# Altium PCB LightLink_V3 - Copy.PcbDoc (part 1 of 3) (continued)
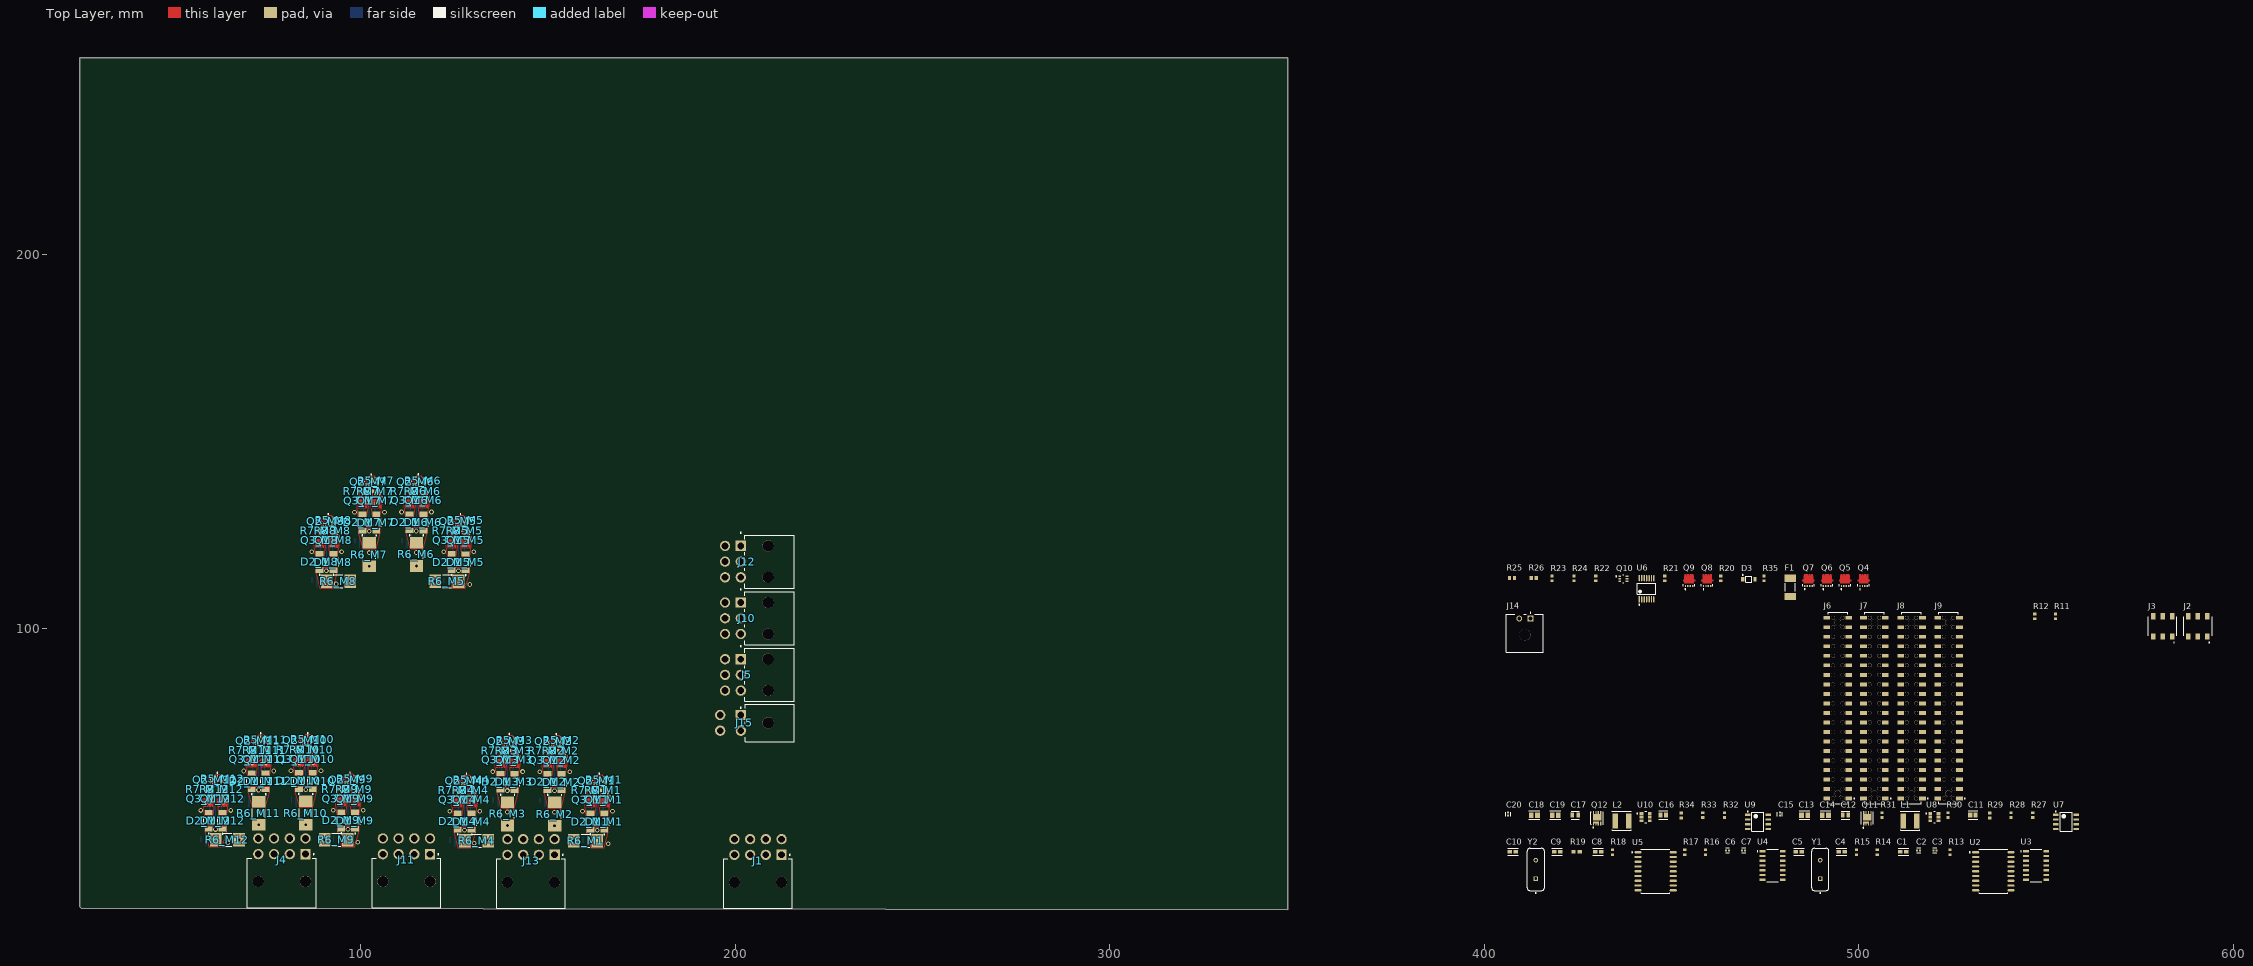
[diagram p0: Top Layer view]
## Components (designator, comment, footprint, x,y, rotation, side; value= is the part's Value field where it differs from the comment) (continued)
R2_M6 "ERJ3EKF1002V" RESC1609X55X30LL15T15 112.379,121.044 r270 bottom (schematic designator R2)
R2_M7 "ERJ3EKF1002V" RESC1609X55X30LL15T15 99.792,121.001 r270 bottom (schematic designator R2)
R2_M8 "ERJ3EKF1002V" RESC1609X55X30LL15T15 88.972,111.115 r0 bottom (schematic designator R2)
R2_M9 "ERJ3EKF1002V" RESC1609X55X30LL15T15 93.472,42.037 r180 bottom (schematic designator R2)
R2_M10 "ERJ3EKF1002V" RESC1609X55X30LL15T15 82.843,51.966 r270 bottom (schematic designator R2)
R2_M11 "ERJ3EKF1002V" RESC1609X55X30LL15T15 70.256,51.908 r270 bottom (schematic designator R2)
R2_M12 "ERJ3EKF1002V" RESC1609X55X30LL15T15 59.436,41.91 r0 bottom (schematic designator R2)
R3_M1 "ERJ3EKF1002V" RESC1609X55X30LL15T15 161.62,46.253 r0 bottom (schematic designator R3)
R3_M2 "ERJ3EKF1002V" RESC1609X55X30LL15T15 150.19,56.803 r0 bottom (schematic designator R3)
R3_M3 "ERJ3EKF1002V" RESC1609X55X30LL15T15 137.631,56.841 r0 bottom (schematic designator R3)
R3_M4 "ERJ3EKF1002V" RESC1609X55X30LL15T15 126.187,46.262 r0 bottom (schematic designator R3)
R3_M5 "ERJ3EKF1002V" RESC1609X55X30LL15T15 124.583,115.52 r0 bottom (schematic designator R3)
R3_M6 "ERJ3EKF1002V" RESC1609X55X30LL15T15 113.318,126.149 r0 bottom (schematic designator R3)
R3_M7 "ERJ3EKF1002V" RESC1609X55X30LL15T15 100.732,126.106 r0 bottom (schematic designator R3)
R3_M8 "ERJ3EKF1002V" RESC1609X55X30LL15T15 89.302,115.565 r0 bottom (schematic designator R3)
R3_M9 "ERJ3EKF1002V" RESC1609X55X30LL15T15 95.085,46.53 r0 bottom (schematic designator R3)
R3_M10 "ERJ3EKF1002V" RESC1609X55X30LL15T15 83.782,57.071 r0 bottom (schematic designator R3)
R3_M11 "ERJ3EKF1002V" RESC1609X55X30LL15T15 71.196,57.013 r0 bottom (schematic designator R3)
R3_M12 "ERJ3EKF1002V" RESC1609X55X30LL15T15 59.69,46.482 r0 bottom (schematic designator R3)
R4_M1 "RC0603FR-071ML" RESC1608X55X25LL10T15 162.56,42.977 r180 bottom (schematic designator R4)
R4_M2 "RC0603FR-071ML" RESC1608X55X25LL10T15 151.13,53.527 r180 bottom (schematic designator R4)
R4_M3 "RC0603FR-071ML" RESC1608X55X25LL10T15 138.57,53.565 r180 bottom (schematic designator R4)
R4_M4 "RC0603FR-071ML" RESC1608X55X25LL10T15 127.127,42.986 r180 bottom (schematic designator R4)
R4_M5 "RC0603FR-071ML" RESC1608X55X25LL10T15 125.522,112.243 r180 bottom (schematic designator R4)
R4_M6 "RC0603FR-071ML" RESC1608X55X25LL10T15 114.258,122.873 r180 bottom (schematic designator R4)
R4_M7 "RC0603FR-071ML" RESC1608X55X25LL10T15 101.672,122.83 r180 bottom (schematic designator R4)
R4_M8 "RC0603FR-071ML" RESC1608X55X25LL10T15 90.242,112.289 r180 bottom (schematic designator R4)
R4_M9 "RC0603FR-071ML" RESC1608X55X25LL10T15 96.025,43.254 r180 bottom (schematic designator R4)
R4_M10 "RC0603FR-071ML" RESC1608X55X25LL10T15 84.722,53.795 r180 bottom (schematic designator R4)
R4_M11 "RC0603FR-071ML" RESC1608X55X25LL10T15 72.136,53.736 r180 bottom (schematic designator R4)
R4_M12 "RC0603FR-071ML" RESC1608X55X25LL10T15 60.63,43.205 r180 bottom (schematic designator R4)
R5_M1 "ERJ3EKF1002V" RESC1609X55X30LL15T15 165.049,59.715 r90 top (schematic designator R5)
R5_M2 "ERJ3EKF1002V" RESC1609X55X30LL15T15 153.619,70.265 r90 top (schematic designator R5)
R5_M3 "ERJ3EKF1002V" RESC1609X55X30LL15T15 141.06,70.303 r90 top (schematic designator R5)
R5_M4 "ERJ3EKF1002V" RESC1609X55X30LL15T15 129.616,59.724 r90 top (schematic designator R5)
R5_M5 "ERJ3EKF1002V" RESC1609X55X30LL15T15 128.012,128.982 r90 top (schematic designator R5)
R5_M6 "ERJ3EKF1002V" RESC1609X55X30LL15T15 116.747,139.611 r90 top (schematic designator R5)
R5_M7 "ERJ3EKF1002V" RESC1609X55X30LL15T15 104.161,139.568 r90 top (schematic designator R5)
R5_M8 "ERJ3EKF1002V" RESC1609X55X30LL15T15 92.731,129.027 r90 top (schematic designator R5)
R5_M9 "ERJ3EKF1002V" RESC1609X55X30LL15T15 98.514,59.992 r90 top (schematic designator R5)
R5_M10 "ERJ3EKF1002V" RESC1609X55X30LL15T15 87.211,70.533 r90 top (schematic designator R5)
R5_M11 "ERJ3EKF1002V" RESC1609X55X30LL15T15 74.625,70.475 r90 top (schematic designator R5)
R5_M12 "ERJ3EKF1002V" RESC1609X55X30LL15T15 63.119,59.944 r90 top (schematic designator R5)
R6_M1 "MCS3264R010FER" FP-MCS3264-MFG 160.02,43.434 r180 top (schematic designator R6)
R6_M2 "MCS3264R010FER" FP-MCS3264-MFG 151.752,50.584 r270 top (schematic designator R6)
R6_M3 "MCS3264R010FER" FP-MCS3264-MFG 139.192,50.622 r270 top (schematic designator R6)
R6_M4 "MCS3264R010FER" FP-MCS3264-MFG 130.937,43.434 r0 top (schematic designator R6)
R6_M5 "MCS3264R010FER" FP-MCS3264-MFG 123.008,112.766 r180 top (schematic designator R6)
R6_M6 "MCS3264R010FER" FP-MCS3264-MFG 114.88,119.93 r270 top (schematic designator R6)
R6_M7 "MCS3264R010FER" FP-MCS3264-MFG 102.294,119.887 r270 top (schematic designator R6)
R6_M8 "MCS3264R010FER" FP-MCS3264-MFG 94.052,112.766 r0 top (schematic designator R6)
R6_M9 "MCS3264R010FER" FP-MCS3264-MFG 93.472,43.688 r180 top (schematic designator R6)
R6_M10 "MCS3264R010FER" FP-MCS3264-MFG 85.344,50.852 r270 top (schematic designator R6)
R6_M11 "MCS3264R010FER" FP-MCS3264-MFG 72.758,50.794 r270 top (schematic designator R6)
R6_M12 "MCS3264R010FER" FP-MCS3264-MFG 64.389,43.688 r0 top (schematic designator R6)
R7_M1 "ERJ3EKF1002V" RESC1609X55X30LL15T15 161.112,56.921 r0 top (schematic designator R7)
R7_M2 "ERJ3EKF1002V" RESC1609X55X30LL15T15 149.682,67.471 r0 top (schematic designator R7)
R7_M3 "ERJ3EKF1002V" RESC1609X55X30LL15T15 137.123,67.509 r0 top (schematic designator R7)
R7_M4 "ERJ3EKF1002V" RESC1609X55X30LL15T15 125.679,56.93 r0 top (schematic designator R7)
R7_M5 "ERJ3EKF1002V" RESC1609X55X30LL15T15 124.075,126.188 r0 top (schematic designator R7)
R7_M6 "ERJ3EKF1002V" RESC1609X55X30LL15T15 112.81,136.817 r0 top (schematic designator R7)
R7_M7 "ERJ3EKF1002V" RESC1609X55X30LL15T15 100.224,136.774 r0 top (schematic designator R7)
R7_M8 "ERJ3EKF1002V" RESC1609X55X30LL15T15 88.794,126.233 r0 top (schematic designator R7)
R7_M9 "ERJ3EKF1002V" RESC1609X55X30LL15T15 94.577,57.198 r0 top (schematic designator R7)
R7_M10 "ERJ3EKF1002V" RESC1609X55X30LL15T15 83.274,67.739 r0 top (schematic designator R7)
R7_M11 "ERJ3EKF1002V" RESC1609X55X30LL15T15 70.688,67.681 r0 top (schematic designator R7)
R7_M12 "ERJ3EKF1002V" RESC1609X55X30LL15T15 59.182,57.15 r0 top (schematic designator R7)
R8_M1 "ERJ3EKF1002V" RESC1609X55X30LL15T15 164.795,56.921 r0 top (schematic designator R8)
R8_M2 "ERJ3EKF1002V" RESC1609X55X30LL15T15 153.365,67.471 r0 top (schematic designator R8)
R8_M3 "ERJ3EKF1002V" RESC1609X55X30LL15T15 140.806,67.509 r0 top (schematic designator R8)
R8_M4 "ERJ3EKF1002V" RESC1609X55X30LL15T15 129.362,56.93 r0 top (schematic designator R8)
R8_M5 "ERJ3EKF1002V" RESC1609X55X30LL15T15 127.758,126.188 r0 top (schematic designator R8)
R8_M6 "ERJ3EKF1002V" RESC1609X55X30LL15T15 116.493,136.817 r0 top (schematic designator R8)
R8_M7 "ERJ3EKF1002V" RESC1609X55X30LL15T15 103.907,136.774 r0 top (schematic designator R8)
R8_M8 "ERJ3EKF1002V" RESC1609X55X30LL15T15 92.477,126.233 r0 top (schematic designator R8)
R8_M9 "ERJ3EKF1002V" RESC1609X55X30LL15T15 98.26,57.198 r0 top (schematic designator R8)
R8_M10 "ERJ3EKF1002V" RESC1609X55X30LL15T15 86.957,67.739 r0 top (schematic designator R8)
R8_M11 "ERJ3EKF1002V" RESC1609X55X30LL15T15 74.371,67.681 r0 top (schematic designator R8)
R8_M12 "ERJ3EKF1002V" RESC1609X55X30LL15T15 62.865,57.15 r0 top (schematic designator R8)
R9_M1 "ERJ-3EKF1001V" RESC1608X55X30LL15T15 157.988,50.302 r90 bottom (schematic designator R9)
R9_M2 "ERJ-3EKF1001V" RESC1608X55X30LL15T15 146.558,60.852 r90 bottom (schematic designator R9)
R9_M3 "ERJ-3EKF1001V" RESC1608X55X30LL15T15 133.998,60.89 r90 bottom (schematic designator R9)
R9_M4 "ERJ-3EKF1001V" RESC1608X55X30LL15T15 122.555,50.311 r90 bottom (schematic designator R9)
R9_M5 "ERJ-3EKF1001V" RESC1608X55X30LL15T15 120.95,119.569 r90 bottom (schematic designator R9)
R9_M6 "ERJ-3EKF1001V" RESC1608X55X30LL15T15 109.686,130.198 r90 bottom (schematic designator R9)
R9_M7 "ERJ-3EKF1001V" RESC1608X55X30LL15T15 97.1,130.155 r90 bottom (schematic designator R9)
R9_M8 "ERJ-3EKF1001V" RESC1608X55X30LL15T15 85.67,119.614 r90 bottom (schematic designator R9)
R9_M9 "ERJ-3EKF1001V" RESC1608X55X30LL15T15 91.453,50.579 r90 bottom (schematic designator R9)
R9_M10 "ERJ-3EKF1001V" RESC1608X55X30LL15T15 80.15,61.12 r90 bottom (schematic designator R9)
R9_M11 "ERJ-3EKF1001V" RESC1608X55X30LL15T15 67.564,61.062 r90 bottom (schematic designator R9)
R9_M12 "ERJ-3EKF1001V" RESC1608X55X30LL15T15 56.058,50.531 r90 bottom (schematic designator R9)
R10_M1 "ERJ-3EKF1001V" RESC1608X55X30LL15T15 168.402,50.317 r90 bottom (schematic designator R10)
R10_M2 "ERJ-3EKF1001V" RESC1608X55X30LL15T15 156.972,60.867 r90 bottom (schematic designator R10)
R10_M3 "ERJ-3EKF1001V" RESC1608X55X30LL15T15 144.412,60.905 r90 bottom (schematic designator R10)
R10_M4 "ERJ-3EKF1001V" RESC1608X55X30LL15T15 132.969,50.326 r90 bottom (schematic designator R10)
R10_M5 "ERJ-3EKF1001V" RESC1608X55X30LL15T15 131.364,119.584 r90 bottom (schematic designator R10)
R10_M6 "ERJ-3EKF1001V" RESC1608X55X30LL15T15 120.1,130.213 r90 bottom (schematic designator R10)
R10_M7 "ERJ-3EKF1001V" RESC1608X55X30LL15T15 107.514,130.17 r90 bottom (schematic designator R10)
R10_M8 "ERJ-3EKF1001V" RESC1608X55X30LL15T15 96.084,119.629 r90 bottom (schematic designator R10)
R10_M9 "ERJ-3EKF1001V" RESC1608X55X30LL15T15 101.867,50.594 r90 bottom (schematic designator R10)
R10_M10 "ERJ-3EKF1001V" RESC1608X55X30LL15T15 90.564,61.135 r90 bottom (schematic designator R10)
R10_M11 "ERJ-3EKF1001V" RESC1608X55X30LL15T15 77.978,61.077 r90 bottom (schematic designator R10)
R10_M12 "ERJ-3EKF1001V" RESC1608X55X30LL15T15 66.472,50.546 r90 bottom (schematic designator R10)
R11 "ERJ3EKF1002V" RESC1609X55X30LL15T15 552.577,103.378 r90 top
R12 "ERJ3EKF1002V" RESC1609X55X30LL15T15 546.989,103.378 r90 top
R13 "ERJ3EKF1002V" RESC1609X55X30LL15T15 524.383,40.386 r90 top
R14 "ERJ3EKF1002V" RESC1609X55X30LL15T15 504.952,40.386 r90 top
R15 "ERJ3EKF1002V" RESC1609X55X30LL15T15 499.364,40.386 r90 top
R16 "ERJ3EKF1002V" RESC1609X55X30LL15T15 459.105,40.386 r90 top
R17 "ERJ3EKF1002V" RESC1609X55X30LL15T15 453.517,40.386 r90 top
R18 "ERJ3EKF1002V" RESC1609X55X30LL15T15 434.213,40.386 r90 top
R19 "ERJ-3EKF1200V" RESC1609X55X30ML15T15 424.688,40.513 r0 top
R20 "ERJ3EKF1002V" RESC1609X55X30LL15T15 463.169,113.538 r90 top
R21 "ERJ3EKF1002V" RESC1609X55X30LL15T15 448.183,113.538 r90 top
R22 "ERJ3EKF1002V" RESC1609X55X30LL15T15 429.768,113.538 r90 top
R23 "ERJ3EKF1002V" RESC1609X55X30LL15T15 418.084,113.538 r90 top
R24 "ERJ3EKF1002V" RESC1609X55X30LL15T15 423.926,113.538 r90 top
R25 "CRCW06032K70JNEA" RESC1609X50X30ML10T20 407.416,113.665 r0 top
R26 "CRCW06032K70JNEA" RESC1609X50X30ML10T20 413.258,113.665 r0 top
R27 "ERJ3EKF1002V" RESC1609X55X30LL15T15 546.481,50.292 r90 top
R28 "ERJ3EKF1002V" RESC1609X55X30LL15T15 540.639,50.292 r90 top
R29 "ERJ3EKF51R0V" RESC1608X55X30NL15T15 534.924,50.165 r90 top
R30 "ERJ3EKF1002V" RESC1609X55X30LL15T15 523.875,50.292 r90 top
R31 "ERJ3EKF1002V" RESC1609X55X30LL15T15 506.222,50.292 r90 top
R32 "ERJ3EKF1002V" RESC1609X55X30LL15T15 464.185,50.292 r90 top
R33 "ERJ3EKF1002V" RESC1609X55X30LL15T15 458.343,50.292 r90 top
R34 "ERJ3EKF51R0V" RESC1608X55X30NL15T15 452.628,50.165 r90 top
R35 "ERJ3EKF1002V" RESC1609X55X30LL15T15 474.726,113.538 r90 top
R36_M1 "ERJ-3EKF1003V" RESC1608X55X30ML15T15 161.239,51.333 r0 bottom (schematic designator R36)
R36_M2 "ERJ-3EKF1003V" RESC1608X55X30ML15T15 149.809,61.883 r0 bottom (schematic designator R36)
R36_M3 "ERJ-3EKF1003V" RESC1608X55X30ML15T15 137.25,61.921 r0 bottom (schematic designator R36)
R36_M4 "ERJ-3EKF1003V" RESC1608X55X30ML15T15 125.806,51.342 r0 bottom (schematic designator R36)
R36_M5 "ERJ-3EKF1003V" RESC1608X55X30ML15T15 124.202,120.6 r0 bottom (schematic designator R36)
R36_M6 "ERJ-3EKF1003V" RESC1608X55X30ML15T15 112.937,131.229 r0 bottom (schematic designator R36)
R36_M7 "ERJ-3EKF1003V" RESC1608X55X30ML15T15 100.351,131.186 r0 bottom (schematic designator R36)
R36_M8 "ERJ-3EKF1003V" RESC1608X55X30ML15T15 88.921,120.645 r0 bottom (schematic designator R36)
R36_M9 "ERJ-3EKF1003V" RESC1608X55X30ML15T15 94.704,51.61 r0 bottom (schematic designator R36)
R36_M10 "ERJ-3EKF1003V" RESC1608X55X30ML15T15 83.401,62.151 r0 bottom (schematic designator R36)
R36_M11 "ERJ-3EKF1003V" RESC1608X55X30ML15T15 70.815,62.093 r0 bottom (schematic designator R36)
R36_M12 "ERJ-3EKF1003V" RESC1608X55X30ML15T15 59.309,51.562 r0 bottom (schematic designator R36)
R37_M1 "ERJ-3EKF1003V" RESC1608X55X30ML15T15 165.176,51.333 r180 bottom (schematic designator R37)
R37_M2 "ERJ-3EKF1003V" RESC1608X55X30ML15T15 153.746,61.883 r180 bottom (schematic designator R37)
R37_M3 "ERJ-3EKF1003V" RESC1608X55X30ML15T15 141.187,61.921 r180 bottom (schematic designator R37)
R37_M4 "ERJ-3EKF1003V" RESC1608X55X30ML15T15 129.743,51.342 r180 bottom (schematic designator R37)
R37_M5 "ERJ-3EKF1003V" RESC1608X55X30ML15T15 128.139,120.6 r180 bottom (schematic designator R37)
R37_M6 "ERJ-3EKF1003V" RESC1608X55X30ML15T15 116.874,131.229 r180 bottom (schematic designator R37)
R37_M7 "ERJ-3EKF1003V" RESC1608X55X30ML15T15 104.288,131.186 r180 bottom (schematic designator R37)
R37_M8 "ERJ-3EKF1003V" RESC1608X55X30ML15T15 92.858,120.645 r180 bottom (schematic designator R37)
R37_M9 "ERJ-3EKF1003V" RESC1608X55X30ML15T15 98.641,51.61 r180 bottom (schematic designator R37)
R37_M10 "ERJ-3EKF1003V" RESC1608X55X30ML15T15 87.338,62.151 r180 bottom (schematic designator R37)
R37_M11 "ERJ-3EKF1003V" RESC1608X55X30ML15T15 74.752,62.093 r180 bottom (schematic designator R37)
R37_M12 "ERJ-3EKF1003V" RESC1608X55X30ML15T15 63.246,51.562 r180 bottom (schematic designator R37)
U1_M1 "LM324D" D0014A_L 163.195,47.066 r270 bottom (schematic designator U1)
U1_M2 "LM324D" D0014A_L 151.765,57.616 r270 bottom (schematic designator U1)
U1_M3 "LM324D" D0014A_L 139.205,57.654 r270 bottom (schematic designator U1)
U1_M4 "LM324D" D0014A_L 127.762,47.075 r270 bottom (schematic designator U1)
U1_M5 "LM324D" D0014A_L 126.157,116.333 r270 bottom (schematic designator U1)
U1_M6 "LM324D" D0014A_L 114.893,126.962 r270 bottom (schematic designator U1)
U1_M7 "LM324D" D0014A_L 102.307,126.919 r270 bottom (schematic designator U1)
U1_M8 "LM324D" D0014A_L 90.877,116.378 r270 bottom (schematic designator U1)
U1_M9 "LM324D" D0014A_L 96.66,47.343 r270 bottom (schematic designator U1)
U1_M10 "LM324D" D0014A_L 85.357,57.884 r270 bottom (schematic designator U1)
U1_M11 "LM324D" D0014A_L 72.771,57.826 r270 bottom (schematic designator U1)
U1_M12 "LM324D" D0014A_L 61.265,47.295 r270 bottom (schematic designator U1)
U2 "MCP2515-I/SO" FP-C04-051-MFG 535.94,35.306 r0 top
U3 "TCAN1043DQ1" FP-D0014A-C01-MFG 547.37,36.83 r0 top
U4 "TCAN1043DQ1" FP-D0014A-C01-MFG 477.012,36.83 r0 top
U5 "MCP2515-I/SO" FP-C04-051-MFG 445.77,35.306 r0 top
U6 "SN74HC02PWR" FP-PW0014A-IPC_B 443.357,110.744 r90 top
U7 "TPS2419D" D0008A_N 555.371,48.514 r0 top
U8 "AP63205WU-7" FP-TSOT26-MFG 520.192,49.784 r0 top
U9 "TPS2419D" D0008A_N 473.075,48.514 r0 top
U10 "AP63205WU-7" FP-TSOT26-MFG 443.103,49.784 r0 top
Y1 "FOXSLF/160-20" FOX-FOXSLF160-20 489.712,35.814 r90 top
Y2 "FOXSLF/160-20" FOX-FOXSLF160-20 413.766,35.814 r90 top

## Footprints (in the part's own frame and the unit in brackets; to place one, negate y for a bottom-side part, rotate by r counter-clockwise, add the part's x,y. Pads: shape width x height; smd on the part's side, far side on the other; paste and mask are expansions set on the pad)
D0008A_N [mm] "SOIC, 8-Leads, Body 5x4mm, Pitch 1.27mm, IPC Medium Density"
  rrect17% 1.45x0.6 smd: 1(-2.725,1.905) 2(-2.725,0.635) 3(-2.725,-0.635) 4(-2.725,-1.905) 5(2.725,-1.905) 6(2.725,-0.635) 7(2.725,0.635) 8(2.725,1.905)
  silkscreen extent -2.85,-2.5 1.6,2.88, body extent -3,-2.45 3,2.45, height 1.63
D0014A_L [mm] "SOIC, 14-Leads, Body 8.75x4mm, Pitch 1.27mm, IPC High Density"
  rrect18% 1.25x0.55 smd: 1(-2.625,3.81) 2(-2.625,2.54) 3(-2.625,1.27) 4(-2.625,0) 5(-2.625,-1.27) 6(-2.625,-2.54) 7(-2.625,-3.81) 8(2.625,-3.81) 9(2.625,-2.54) 10(2.625,-1.27) 11(2.625,0) 12(2.625,1.27) 13(2.625,2.54) 14(2.625,3.81)
  silkscreen extent -2.75,-4.38 1.6,4.76, body extent -3.02,-4.32 3.02,4.32, height 1.59
FOX-FOXSLF160-20 [mm] "THD, 2-Leads, Body 11.35x4.65mm"
  rect 1.2x1.2 hole 0.7: 1(-2.44,0)
  round 1.2 hole 0.7: 2(2.44,0)
  silkscreen extent -6.45,-2.32 5.68,2.32, body extent -5.67,-2.32 5.68,2.33, height 3.6
FP-39-30-1041-MFG [mil]
  rect 108.4x108.4 hole 71 paste-39370.1 mask+0: 1(82.5,297)
  round 108.4 hole 71 paste-39370.1 mask+0: 2(-82.5,297) 3(82.5,514) 4(-82.5,514)
  round 118 hole 118 unplated paste-39370.1 mask+0: ""(0,10)
  silkscreen extent -198,-265 198,302, body extent -201,-269 201,572, height 10
FP-0679L-MFG [mm]
  rect 1.96x3.15 smd paste+0 mask+0: 1(-2.455,0) 2(2.455,0)
  silkscreen extent -1.1,-1.4 1.1,1.4, body extent -3.53,-1.68 3.53,1.68, height 0.25
FP-0805-L_2_01_0_2-W_1_25-IPC_C [mm]
  rect 1.105x1.356 smd paste+0 mask+0: 1(-0.706,0) 2(0.706,0)
  silkscreen extent -1.26,-1.12 1.26,1.12, body extent -1.36,-0.82 1.36,0.82, height 0.25
FP-43650-0201-MFG [mm]
  rect 1.57x1.57 hole 1.02 paste-1000 mask+0: 1(1.5,3.97)
  round 1.57 hole 1.02 paste-1000 mask+0: 2(-1.5,3.97)
  round 3 hole 3 unplated paste-1000 mask+0: ""(0,-0.35)
  silkscreen extent -4.95,-5.07 4.95,5.7, body extent -5.05,-5.18 5.05,5.18, height 0.25
FP-45586-0005-MFG [mm]
  rect 2.75x2.75 hole 1.8 paste-1000 mask+0: 1(-6.3,-7.5)
  round 2.75 hole 1.8 paste-1000 mask+0: 2(-2.1,-7.5) 3(2.1,-7.5) 4(6.3,-7.5) 5(-6.3,-11.7) 6(-2.1,-11.7) 7(2.1,-11.7) 8(6.3,-11.7)
  round 3 hole 3 unplated paste-1000 mask+0: ""(-6.3,-0.2) ""(6.3,-0.2)
  silkscreen extent -9.19,-7.62 9.19,6.78, body extent -9.29,-13.18 9.29,6.88, height 0.25
FP-455580003-MFG [mm]
  rect 2.75x2.75 hole 1.8 paste-1000 mask+0: 1(-4.2,-7.5)
  round 2.75 hole 1.8 paste-1000 mask+0: 2(0,-7.5) 3(4.2,-7.5) 4(-4.2,-11.7) 5(0,-11.7) 6(4.2,-11.7)
  round 3 hole 3 unplated paste-1000 mask+0: ""(-4.2,-0.2) ""(4.2,-0.2)
  silkscreen extent -7.81,-7.62 7.09,6.78, body extent -7.19,-13.18 7.19,6.88, height 0.25
FP-C04-051-MFG [mm]
  rrect100% 1.9x0.6 smd paste+0 mask+0: 1(-4.7,5.08) 2(-4.7,3.81) 3(-4.7,2.54) 4(-4.7,1.27) 5(-4.7,0) 6(-4.7,-1.27) 7(-4.7,-2.54) 8(-4.7,-3.81) 9(-4.7,-5.08) 10(4.7,-5.08) 11(4.7,-3.81) 12(4.7,-2.54) 13(4.7,-1.27) 14(4.7,0) 15(4.7,1.27) 16(4.7,2.54) 17(4.7,3.81) 18(4.7,5.08)
  silkscreen extent -6.42,-5.87 3.8,5.87, body extent -5.75,-6.12 5.75,6.12, height 0.25
FP-C0402-BB-MFG [mm]
  rect 0.52x0.52 smd paste+0 mask+0: 1(-0.4,0) 2(0.4,0)
  silkscreen extent -0.5,-0.64 0.5,0.64, body extent -0.8,-0.4 0.8,0.4, height 0.25
FP-C0805C-DG-MFG [mm]
  rect 0.95x1.35 smd paste+0 mask+0: 1(-0.75,0) 2(0.75,0)
  silkscreen extent -1.11,-1.08 1.1,1.07, body extent -1.4,-0.85 1.4,0.85, height 0.25
FP-D0014A-C01-MFG [mm]
  rrect17% 1.55x0.6 smd paste+0 mask+0: 1(-2.7,3.81) 2(-2.7,2.54) 3(-2.7,1.27) 4(-2.7,0) 5(-2.7,-1.27) 6(-2.7,-2.54) 7(-2.7,-3.81) 8(2.7,-3.81) 9(2.7,-2.54) 10(2.7,-1.27) 11(2.7,0) 12(2.7,1.27) 13(2.7,2.54) 14(2.7,3.81)
  silkscreen extent -4.17,-4.38 1.55,4.38, body extent -3.57,-4.62 3.57,4.62, height 0.25
FP-GRM21B-0_2-e0_2_0_7-IPC_B [mm]
  rect 1.255x1.456 smd paste+0 mask+0: 1(-0.826,0) 2(0.826,0)
  silkscreen extent -1.45,-1.13 1.45,1.13, body extent -1.7,-0.98 1.7,0.98, height 0.25
FP-GRM188-0_1-e0_2_0_55-IPC_A [mm]
  rect 1.208x1.012 smd paste+0 mask+0: 1(-0.802,0) 2(0.802,0)
  silkscreen extent -1.41,-0.91 1.41,0.91, body extent -1.91,-1.01 1.91,1.01, height 0.25
FP-M20-7812045-MFG [mm]
  rect 1.02x1.78 smd paste+0 mask+0: 1(-24.13,-2.91) 2(-24.13,2.91) 3(-21.59,-2.91) 4(-21.59,2.91) 5(-19.05,-2.91) 6(-19.05,2.91) 7(-16.51,-2.91) 8(-16.51,2.91) 9(-13.97,-2.91) 10(-13.97,2.91) 11(-11.43,-2.91) 12(-11.43,2.91) 13(-8.89,-2.91) 14(-8.89,2.91) 15(-6.35,-2.91) 16(-6.35,2.91) 17(-3.81,-2.91) 18(-3.81,2.91) 19(-1.27,-2.91) 20(-1.27,2.91) 21(1.27,-2.91) 22(1.27,2.91) 23(3.81,-2.91) 24(3.81,2.91) 25(6.35,-2.91) 26(6.35,2.91) 27(8.89,-2.91) 28(8.89,2.91) 29(11.43,-2.91) 30(11.43,2.91) 31(13.97,-2.91) 32(13.97,2.91) 33(16.51,-2.91) 34(16.51,2.91) 35(19.05,-2.91) 36(19.05,2.91) 37(21.59,-2.91) 38(21.59,2.91) 39(24.13,-2.91) 40(24.13,2.91)
  round 1.02 hole 1.02 unplated paste-1000 mask+0: ""(-24.13,-1.27) ""(-24.13,1.27) ""(-21.59,-1.27) ""(-21.59,1.27) ""(-19.05,-1.27) ""(-19.05,1.27) ""(-16.51,-1.27) ""(-16.51,1.27) ""(-13.97,-1.27) ""(-13.97,1.27) ""(-11.43,-1.27) ""(-11.43,1.27) ""(-8.89,-1.27) ""(-8.89,1.27) ""(-6.35,-1.27) ""(-6.35,1.27) ""(-3.81,-1.27) ""(-3.81,1.27) ""(-1.27,-1.27) ""(-1.27,1.27) ""(1.27,-1.27) ""(1.27,1.27) ""(3.81,-1.27) ""(3.81,1.27) ""(6.35,-1.27) ""(6.35,1.27) ""(8.89,-1.27) ""(8.89,1.27) ""(11.43,-1.27) ""(11.43,1.27) ""(13.97,-1.27) ""(13.97,1.27) ""(16.51,-1.27) ""(16.51,1.27) ""(19.05,-1.27) ""(19.05,1.27) ""(21.59,-1.27) ""(21.59,1.27) ""(24.13,-1.27) ""(24.13,1.27)
  round 1.8 hole 1.8 unplated paste-1000 mask+0: ""(-22.86,0) ""(22.86,0)
  silkscreen extent -25.55,-4.47 25.55,2.62, body extent -25.65,-3.9 25.65,3.9, height 0.25
FP-MCS3264-MFG [mm]
  rect 3.1x3.57 smd paste+0 mask+0: 1(-3.1,0) 2(3.1,0)
  silkscreen extent -1.17,-1.75 1.17,1.75, body extent -4.75,-1.89 4.75,1.89, height 0.25
FP-NR5040-H_4_1-MFG [mm]
  rect 1.5x4 smd paste+0 mask+0: 1(-1.8,0) 2(1.8,0)
  silkscreen extent -2.55,-2.55 2.55,2.55, body extent -2.65,-2.65 2.65,2.65, height 0.25
FP-PW0014A-IPC_B [mm]
  rect 1.655x0.381 smd paste+0 mask+0: 1(-2.825,1.95)
  rrect100% 1.655x0.381 smd paste+0 mask+0: 2(-2.825,1.3) 3(-2.825,0.65) 4(-2.825,0) 5(-2.825,-0.65) 6(-2.825,-1.3) 7(-2.825,-1.95) 8(2.825,-1.95) 9(2.825,-1.3) 10(2.825,-0.65) 11(2.825,0) 12(2.825,0.65) 13(2.825,1.3) 14(2.825,1.95)
  silkscreen extent -4.37,-2.5 1.5,2.5, body extent -3.9,-2.75 3.9,2.75, height 0.25
FP-SOD128-MFG [mm]
  rect 1.4x2.1 smd paste-1000 mask+0: 1(-2.2,0) 2(2.2,0)
  silkscreen extent -3.57,-1.35 1.12,1.35, body extent -3.1,-1.7 3.1,1.7, height 0.25
FP-SSOP6-P-0_65A-MFG [mm]
  rect 0.8x0.4 smd paste+0 mask+0: 1(-0.95,0.65) 2(-0.95,0) 3(-0.95,-0.65) 4(0.95,-0.65) 5(0.95,0) 6(0.95,0.65)
  silkscreen extent -2.05,-1.1 0.18,1.1, body extent -1.45,-1.2 1.45,1.2, height 0.25
FP-TSOT26-MFG [mm]
  rect 1x0.7 smd paste+0 mask+0: 1(-1.099,0.95) 2(-1.099,0) 3(-1.099,-0.95) 4(1.099,-0.95) 5(1.099,0) 6(1.099,0.95)
  silkscreen extent -2.32,-1.5 0.22,1.5, body extent -1.7,-1.6 1.7,1.6, height 0.25
INF-PG-TSDSON-8_FL_V [mm] "TSDSON, 8-Leads, Body 3.3x3.3mm, Pitch 0.65mm"
  rect 0.34x1 smd mask+0.102: 1(-0.975,-1.5) 2(-0.325,-1.5) 4(0.975,-1.5)
  rect 0.34x1 smd: 3(0.325,-1.5)
  rect 0.34x0.8 smd mask+0.102: 5(0.975,1.5) 6(0.325,1.5) 7(-0.325,1.5) 8(-0.975,1.5)
  rect 1.64x0.5 smd mask+0.102: ""(-0.325,-1.25)
  rect 2.29x1.71 smd mask+0.102: ""(0,0.245)
  silkscreen extent -1.65,-2.67 1.65,1.65, body extent -1.65,-1.65 1.65,1.65, height 1.1
ONSC-SOD-123-2-425-04_V [mm] "SOD, 2-Leads, Body 2.69x1.6mm"
  rect 0.91x1.22 smd: 1(-1.635,0) 2(1.635,0)
  silkscreen extent -1.76,-0.8 0.78,1.28, body extent -1.35,-0.8 1.35,0.8, height 1.35
RESC1608X55X25LL10T15 [mm] "Chip Resistor, 2-Leads, Body 1.70x0.90mm, IPC High Density"
  rect 0.6x0.8 smd: 1(-0.65,0) 2(0.65,0)
  body extent -0.85,-0.45 0.85,0.45, height 0.55
RESC1608X55X30LL15T15 [mm] "Chip Resistor, 2-Leads, Body 1.60x0.80mm, IPC High Density"
  rect 0.7x0.85 smd: 1(-0.625,0) 2(0.625,0)
  body extent -0.87,-0.48 0.87,0.48, height 0.55
RESC1608X55X30ML15T15 [mm] "Chip Resistor, 2-Leads, Body 1.60x0.80mm, IPC Low Density"
  rect 0.9x1.05 smd: 1(-0.725,0) 2(0.725,0)
  body extent -0.87,-0.48 0.87,0.48, height 0.55
RESC1608X55X30NL15T15 [mm] "Chip Resistor, 2-Leads, Body 1.60x0.80mm, IPC Medium Density"
  rect 0.8x0.95 smd: 1(-0.675,0) 2(0.675,0)
  body extent -0.87,-0.48 0.87,0.48, height 0.55
RESC1609X50X30ML10T20 [mm] "Chip Resistor, 2-Leads, Body 1.55x0.85mm, IPC Low Density"
  rect 0.9x1.05 smd: 1(-0.675,0) 2(0.675,0)
  body extent -0.82,-0.48 0.82,0.48, height 0.5
RESC1609X55X30LL15T15 [mm] "Chip Resistor, 2-Leads, Body 1.75x0.95mm, IPC High Density"
  rect 0.75x0.85 smd: 1(-0.65,0) 2(0.65,0)
  body extent -0.87,-0.48 0.87,0.48, height 0.55
RESC1609X55X30ML15T15 [mm] "Chip Resistor, 2-Leads, Body 1.75x0.95mm, IPC Low Density"
  rect 1.15x1.05 smd: 1(-0.85,0) 2(0.85,0)
  body extent -0.87,-0.48 0.87,0.48, height 0.55
SAMTEC_HLE-103-02-L-DV-BE-TR [mm]
  rect 1.27x1.68 smd: 01(2.54,-2.72) 02(2.54,2.72) 03(0,-2.72) 04(0,2.72) 05(-2.54,-2.72) 06(-2.54,2.72)
  silkscreen extent -3.81,-4.42 3.81,2.54
SISH615ADN-T1-GE3-Footprint-1 [mm]
  rect 0.35x0.5 smd paste+0 mask+0: 1(-0.937,-1.4) 2(-0.288,-1.4) 3(0.363,-1.4) 4(1.012,-1.4)
  round 0.025 smd: 5-6-7-8(0.038,0.51)
  Top Layer region: -1.187,-0.63 -1.187,-0.215 -1.568,-0.215 -1.568,0.215 -1.187,0.215 -1.187,1.35 -1.137,1.35 -1.137,1.65 -0.737,1.65 -0.737,1.35 -0.487,1.35 -0.487,1.65 -0.088,1.65 -0.088,1.35 0.163,1.35 0.163,1.65 0.563,1.65 0.563,1.35 0.813,1.35 0.813,1.65 1.212,1.65 1.212,1.35 1.262,1.35 1.262,0.215 1.643,0.215 1.643,-0.215 1.262,-0.215 1.262,-0.63
  silkscreen extent -1.51,-2.37 1.59,-1.01, body extent -1.67,-1.75 1.74,1.75, height 0.25